# KiCad board untitled.kicad_pcb (continued)
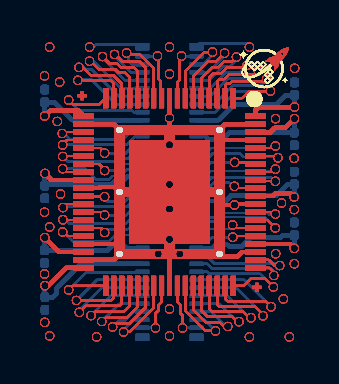
[diagram p0: board, top side]
## Routing (per net, layer and track width the routed paths; a pad name or vN(x,y) marks a point on that pad's centre or on a via; arc(x,y) is an arc through that point) (continued)
  Top w0.1: J158.1 9.91,10.28 ; J158.1 9.91,10.28 ; J158.1 9.91,10.28 ; J158.1 9.91,10.28 ; J158.1 9.91,10.28 ; J158.1 9.91,10.28 ; J158.1 9.91,10.28 ; J158.1 9.91,10.28 ; J158.1 9.91,10.28 ; J158.1 9.91,10.28 ; J158.1 9.91,10.28 ; J158.1 9.91,10.28 ; J158.1 9.91,10.28 ; J158.1 9.91,10.28 ; J158.1 9.91,10.28 ; J158.1 9.91,10.28 ; J158.1 9.91,10.28 ; J158.1 9.91,10.28 ; J158.1 9.91,10.28 ; J158.1 9.91,10.28 ; J158.1 9.91,10.28 ; J158.1 9.91,10.28 ; J158.1 9.91,10.28 ; J158.1 9.91,10.28 ; J158.1 9.91,10.28 ; J158.1 9.91,10.28 ; J158.1 9.91,10.28 ; J158.1 9.91,10.28 ; J158.1 9.91,10.28 ; J158.1 9.91,10.28 ; J158.1 9.91,10.28 ; J158.1 9.91,10.28 ; J158.1 9.91,10.28 ; J158.1 9.91,10.28 ; J158.1 9.91,10.28 ; J158.1 9.91,10.28 ; J158.1 9.91,10.28 ; J158.1 9.91,10.28 ; J158.1 9.91,10.28 ; J158.1 9.91,10.28 ; J158.1 9.91,10.28 ; J158.1 9.91,10.28 ; 9.91,10.28 10.26,10.63 ; 9.91,10.28 10.26,10.63 ; 9.91,10.28 10.26,10.63 ; 9.91,10.28 10.26,10.63 ; 9.91,10.28 10.26,10.63 ; 9.91,10.28 10.26,10.63 ; 9.91,10.28 10.26,10.63 ; 9.91,10.28 10.26,10.63 ; 9.91,10.28 10.26,10.63 ; 9.91,10.28 10.26,10.63 ; 9.91,10.28 10.26,10.63 ; 9.91,10.28 10.26,10.63 ; 9.91,10.28 10.26,10.63 ; 9.91,10.28 10.26,10.63 ; 9.91,10.28 10.26,10.63 ; 9.91,10.28 10.26,10.63 ; 9.91,10.28 10.26,10.63 ; 9.91,10.28 10.26,10.63 ; 9.91,10.28 10.26,10.63 ; 9.91,10.28 10.26,10.63 ; 9.91,10.28 10.26,10.63 ; 9.91,10.28 10.26,10.63 ; 9.91,10.28 10.26,10.63 ; 9.91,10.28 10.26,10.63 ; 9.91,10.28 10.26,10.63 ; 9.91,10.28 10.26,10.63 ; 9.91,10.28 10.26,10.63 ; 9.91,10.28 10.26,10.63 ; 9.91,10.28 10.26,10.63 ; 9.91,10.28 10.26,10.63 ; 9.91,10.28 10.26,10.63 ; 9.91,10.28 10.26,10.63 ; 9.91,10.28 10.26,10.63 ; 9.91,10.28 10.26,10.63 ; 9.91,10.28 10.26,10.63 ; 9.91,10.28 10.26,10.63 ; 9.91,10.28 10.26,10.63 ; 9.91,10.28 10.26,10.63 ; 9.91,10.28 10.26,10.63 ; 9.91,10.28 10.26,10.63 ; 9.91,10.28 10.26,10.63 ; 9.91,10.28 10.26,10.63 ; 10.26,10.63 v1(11.31,10.63) ; 10.26,10.63 v1(11.31,10.63) ; 10.26,10.63 v1(11.31,10.63) ; 10.26,10.63 v1(11.31,10.63) ; 10.26,10.63 v1(11.31,10.63) ; 10.26,10.63 v1(11.31,10.63) ; 10.26,10.63 v1(11.31,10.63) ; 10.26,10.63 v1(11.31,10.63) ; 10.26,10.63 v1(11.31,10.63) ; 10.26,10.63 v1(11.31,10.63) ; 10.26,10.63 v1(11.31,10.63) ; 10.26,10.63 v1(11.31,10.63) ; 10.26,10.63 v1(11.31,10.63) ; 10.26,10.63 v1(11.31,10.63) ; 10.26,10.63 v1(11.31,10.63) ; 10.26,10.63 v1(11.31,10.63) ; 10.26,10.63 v1(11.31,10.63) ; 10.26,10.63 v1(11.31,10.63) ; 10.26,10.63 v1(11.31,10.63) ; 10.26,10.63 v1(11.31,10.63) ; 10.26,10.63 v1(11.31,10.63) ; 10.26,10.63 v1(11.31,10.63) ; 10.26,10.63 v1(11.31,10.63) ; 10.26,10.63 v1(11.31,10.63) ; 10.26,10.63 v1(11.31,10.63) ; 10.26,10.63 v1(11.31,10.63) ; 10.26,10.63 v1(11.31,10.63) ; 10.26,10.63 v1(11.31,10.63) ; 10.26,10.63 v1(11.31,10.63) ; 10.26,10.63 v1(11.31,10.63) ; 10.26,10.63 v1(11.31,10.63) ; 10.26,10.63 v1(11.31,10.63) ; 10.26,10.63 v1(11.31,10.63) ; 10.26,10.63 v1(11.31,10.63) ; 10.26,10.63 v1(11.31,10.63) ; 10.26,10.63 v1(11.31,10.63) ; 10.26,10.63 v1(11.31,10.63) ; 10.26,10.63 v1(11.31,10.63) ; 10.26,10.63 v1(11.31,10.63) ; 10.26,10.63 v1(11.31,10.63) ; 10.26,10.63 v1(11.31,10.63) ; 10.26,10.63 v1(11.31,10.63)
  Bottom w0.1: v1(11.31,10.63) 9.61,10.63 ; v1(11.31,10.63) 9.61,10.63 ; v1(11.31,10.63) 9.61,10.63 ; v1(11.31,10.63) 9.61,10.63 ; v1(11.31,10.63) 9.61,10.63 ; v1(11.31,10.63) 9.61,10.63 ; v1(11.31,10.63) 9.61,10.63 ; v1(11.31,10.63) 9.61,10.63 ; v1(11.31,10.63) 9.61,10.63 ; v1(11.31,10.63) 9.61,10.63 ; v1(11.31,10.63) 9.61,10.63 ; v1(11.31,10.63) 9.61,10.63 ; v1(11.31,10.63) 9.61,10.63 ; v1(11.31,10.63) 9.61,10.63 ; v1(11.31,10.63) 9.61,10.63 ; v1(11.31,10.63) 9.61,10.63 ; v1(11.31,10.63) 9.61,10.63 ; v1(11.31,10.63) 9.61,10.63 ; v1(11.31,10.63) 9.61,10.63 ; v1(11.31,10.63) 9.61,10.63 ; v1(11.31,10.63) 9.61,10.63 ; v1(11.31,10.63) 9.61,10.63 ; v1(11.31,10.63) 9.61,10.63 ; v1(11.31,10.63) 9.61,10.63 ; v1(11.31,10.63) 9.61,10.63 ; v1(11.31,10.63) 9.61,10.63 ; v1(11.31,10.63) 9.61,10.63 ; v1(11.31,10.63) 9.61,10.63 ; v1(11.31,10.63) 9.61,10.63 ; v1(11.31,10.63) 9.61,10.63 ; v1(11.31,10.63) 9.61,10.63 ; v1(11.31,10.63) 9.61,10.63 ; v1(11.31,10.63) 9.61,10.63 ; v1(11.31,10.63) 9.61,10.63 ; v1(11.31,10.63) 9.61,10.63 ; v1(11.31,10.63) 9.61,10.63 ; v1(11.31,10.63) 9.61,10.63 ; v1(11.31,10.63) 9.61,10.63 ; v1(11.31,10.63) 9.61,10.63 ; v1(11.31,10.63) 9.61,10.63 ; v1(11.31,10.63) 9.61,10.63 ; v1(11.31,10.63) 9.61,10.63 ; 9.61,10.63 8.56,9.58 ; 9.61,10.63 8.56,9.58 ; 9.61,10.63 8.56,9.58 ; 9.61,10.63 8.56,9.58 ; 9.61,10.63 8.56,9.58 ; 9.61,10.63 8.56,9.58 ; 9.61,10.63 8.56,9.58 ; 9.61,10.63 8.56,9.58 ; 9.61,10.63 8.56,9.58 ; 9.61,10.63 8.56,9.58 ; 9.61,10.63 8.56,9.58 ; 9.61,10.63 8.56,9.58 ; 9.61,10.63 8.56,9.58 ; 9.61,10.63 8.56,9.58 ; 9.61,10.63 8.56,9.58 ; 9.61,10.63 8.56,9.58 ; 9.61,10.63 8.56,9.58 ; 9.61,10.63 8.56,9.58 ; 9.61,10.63 8.56,9.58 ; 9.61,10.63 8.56,9.58 ; 9.61,10.63 8.56,9.58 ; 9.61,10.63 8.56,9.58 ; 9.61,10.63 8.56,9.58 ; 9.61,10.63 8.56,9.58 ; 9.61,10.63 8.56,9.58 ; 9.61,10.63 8.56,9.58 ; 9.61,10.63 8.56,9.58 ; 9.61,10.63 8.56,9.58 ; 9.61,10.63 8.56,9.58 ; 9.61,10.63 8.56,9.58 ; 9.61,10.63 8.56,9.58 ; 9.61,10.63 8.56,9.58 ; 9.61,10.63 8.56,9.58 ; 9.61,10.63 8.56,9.58 ; 9.61,10.63 8.56,9.58 ; 9.61,10.63 8.56,9.58 ; 9.61,10.63 8.56,9.58 ; 9.61,10.63 8.56,9.58 ; 9.61,10.63 8.56,9.58 ; 9.61,10.63 8.56,9.58 ; 9.61,10.63 8.56,9.58 ; 9.61,10.63 8.56,9.58 ; 8.56,9.58 J173.8 ; 8.56,9.58 J173.8 ; 8.56,9.58 J173.8 ; 8.56,9.58 J173.8 ; 8.56,9.58 J173.8 ; 8.56,9.58 J173.8 ; 8.56,9.58 J173.8 ; 8.56,9.58 J173.8 ; 8.56,9.58 J173.8 ; 8.56,9.58 J173.8 ; 8.56,9.58 J173.8 ; 8.56,9.58 J173.8 ; 8.56,9.58 J173.8 ; 8.56,9.58 J173.8 ; 8.56,9.58 J173.8 ; 8.56,9.58 J173.8 ; 8.56,9.58 J173.8 ; 8.56,9.58 J173.8 ; 8.56,9.58 J173.8 ; 8.56,9.58 J173.8 ; 8.56,9.58 J173.8 ; 8.56,9.58 J173.8 ; 8.56,9.58 J173.8 ; 8.56,9.58 J173.8 ; 8.56,9.58 J173.8 ; 8.56,9.58 J173.8 ; 8.56,9.58 J173.8 ; 8.56,9.58 J173.8 ; 8.56,9.58 J173.8 ; 8.56,9.58 J173.8 ; 8.56,9.58 J173.8 ; 8.56,9.58 J173.8 ; 8.56,9.58 J173.8 ; 8.56,9.58 J173.8 ; 8.56,9.58 J173.8 ; 8.56,9.58 J173.8 ; 8.56,9.58 J173.8 ; 8.56,9.58 J173.8 ; 8.56,9.58 J173.8 ; 8.56,9.58 J173.8 ; 8.56,9.58 J173.8 ; 8.56,9.58 J173.8
/PIN 64: length 287.2
  Top w0.1: J158.2 9.06,10.93 ; J158.2 9.06,10.93 ; J158.2 9.06,10.93 ; J158.2 9.06,10.93 ; J158.2 9.06,10.93 ; J158.2 9.06,10.93 ; J158.2 9.06,10.93 ; J158.2 9.06,10.93 ; J158.2 9.06,10.93 ; J158.2 9.06,10.93 ; J158.2 9.06,10.93 ; J158.2 9.06,10.93 ; J158.2 9.06,10.93 ; J158.2 9.06,10.93 ; J158.2 9.06,10.93 ; J158.2 9.06,10.93 ; J158.2 9.06,10.93 ; J158.2 9.06,10.93 ; J158.2 9.06,10.93 ; J158.2 9.06,10.93 ; J158.2 9.06,10.93 ; J158.2 9.06,10.93 ; J158.2 9.06,10.93 ; J158.2 9.06,10.93 ; J158.2 9.06,10.93 ; J158.2 9.06,10.93 ; J158.2 9.06,10.93 ; J158.2 9.06,10.93 ; J158.2 9.06,10.93 ; J158.2 9.06,10.93 ; J158.2 9.06,10.93 ; J158.2 9.06,10.93 ; J158.2 9.06,10.93 ; J158.2 9.06,10.93 ; J158.2 9.06,10.93 ; J158.2 9.06,10.93 ; J158.2 9.06,10.93 ; J158.2 9.06,10.93 ; J158.2 9.06,10.93 ; J158.2 9.06,10.93 ; J158.2 9.06,10.93 ; J158.2 9.06,10.93 ; 9.06,10.93 9.12,10.99 ; 9.06,10.93 9.12,10.99 ; 9.06,10.93 9.12,10.99 ; 9.06,10.93 9.12,10.99 ; 9.06,10.93 9.12,10.99 ; 9.06,10.93 9.12,10.99 ; 9.06,10.93 9.12,10.99 ; 9.06,10.93 9.12,10.99 ; 9.06,10.93 9.12,10.99 ; 9.06,10.93 9.12,10.99 ; 9.06,10.93 9.12,10.99 ; 9.06,10.93 9.12,10.99 ; 9.06,10.93 9.12,10.99 ; 9.06,10.93 9.12,10.99 ; 9.06,10.93 9.12,10.99 ; 9.06,10.93 9.12,10.99 ; 9.06,10.93 9.12,10.99 ; 9.06,10.93 9.12,10.99 ; 9.06,10.93 9.12,10.99 ; 9.06,10.93 9.12,10.99 ; 9.06,10.93 9.12,10.99 ; 9.06,10.93 9.12,10.99 ; 9.06,10.93 9.12,10.99 ; 9.06,10.93 9.12,10.99 ; 9.06,10.93 9.12,10.99 ; 9.06,10.93 9.12,10.99 ; 9.06,10.93 9.12,10.99 ; 9.06,10.93 9.12,10.99 ; 9.06,10.93 9.12,10.99 ; 9.06,10.93 9.12,10.99 ; 9.06,10.93 9.12,10.99 ; 9.06,10.93 9.12,10.99 ; 9.06,10.93 9.12,10.99 ; 9.06,10.93 9.12,10.99 ; 9.06,10.93 9.12,10.99 ; 9.06,10.93 9.12,10.99 ; 9.06,10.93 9.12,10.99 ; 9.06,10.93 9.12,10.99 ; 9.06,10.93 9.12,10.99 ; 9.06,10.93 9.12,10.99 ; 9.06,10.93 9.12,10.99 ; 9.06,10.93 9.12,10.99 ; 9.12,10.99 9.27,10.99 ; 9.12,10.99 9.27,10.99 ; 9.12,10.99 9.27,10.99 ; 9.12,10.99 9.27,10.99 ; 9.12,10.99 9.27,10.99 ; 9.12,10.99 9.27,10.99 ; 9.12,10.99 9.27,10.99 ; 9.12,10.99 9.27,10.99 ; 9.12,10.99 9.27,10.99 ; 9.12,10.99 9.27,10.99 ; 9.12,10.99 9.27,10.99 ; 9.12,10.99 9.27,10.99 ; 9.12,10.99 9.27,10.99 ; 9.12,10.99 9.27,10.99 ; 9.12,10.99 9.27,10.99 ; 9.12,10.99 9.27,10.99 ; 9.12,10.99 9.27,10.99 ; 9.12,10.99 9.27,10.99 ; 9.12,10.99 9.27,10.99 ; 9.12,10.99 9.27,10.99 ; 9.12,10.99 9.27,10.99 ; 9.12,10.99 9.27,10.99 ; 9.12,10.99 9.27,10.99 ; 9.12,10.99 9.27,10.99 ; 9.12,10.99 9.27,10.99 ; 9.12,10.99 9.27,10.99 ; 9.12,10.99 9.27,10.99 ; 9.12,10.99 9.27,10.99 ; 9.12,10.99 9.27,10.99 ; 9.12,10.99 9.27,10.99 ; 9.12,10.99 9.27,10.99 ; 9.12,10.99 9.27,10.99 ; 9.12,10.99 9.27,10.99 ; 9.12,10.99 9.27,10.99 ; 9.12,10.99 9.27,10.99 ; 9.12,10.99 9.27,10.99 ; 9.12,10.99 9.27,10.99 ; 9.12,10.99 9.27,10.99 ; 9.12,10.99 9.27,10.99 ; 9.12,10.99 9.27,10.99 ; 9.12,10.99 9.27,10.99 ; 9.12,10.99 9.27,10.99 ; 9.27,10.99 9.41,11.13 ; 9.27,10.99 9.41,11.13 ; 9.27,10.99 9.41,11.13 ; 9.27,10.99 9.41,11.13 ; 9.27,10.99 9.41,11.13 ; 9.27,10.99 9.41,11.13 ; 9.27,10.99 9.41,11.13 ; 9.27,10.99 9.41,11.13 ; 9.27,10.99 9.41,11.13 ; 9.27,10.99 9.41,11.13 ; 9.27,10.99 9.41,11.13 ; 9.27,10.99 9.41,11.13 ; 9.27,10.99 9.41,11.13 ; 9.27,10.99 9.41,11.13 ; 9.27,10.99 9.41,11.13 ; 9.27,10.99 9.41,11.13 ; 9.27,10.99 9.41,11.13 ; 9.27,10.99 9.41,11.13 ; 9.27,10.99 9.41,11.13 ; 9.27,10.99 9.41,11.13 ; 9.27,10.99 9.41,11.13 ; 9.27,10.99 9.41,11.13 ; 9.27,10.99 9.41,11.13 ; 9.27,10.99 9.41,11.13 ; 9.27,10.99 9.41,11.13 ; 9.27,10.99 9.41,11.13 ; 9.27,10.99 9.41,11.13 ; 9.27,10.99 9.41,11.13 ; 9.27,10.99 9.41,11.13 ; 9.27,10.99 9.41,11.13 ; 9.27,10.99 9.41,11.13 ; 9.27,10.99 9.41,11.13 ; 9.27,10.99 9.41,11.13 ; 9.27,10.99 9.41,11.13 ; 9.27,10.99 9.41,11.13 ; 9.27,10.99 9.41,11.13 ; 9.27,10.99 9.41,11.13 ; 9.27,10.99 9.41,11.13 ; 9.27,10.99 9.41,11.13 ; 9.27,10.99 9.41,11.13 ; 9.27,10.99 9.41,11.13 ; 9.27,10.99 9.41,11.13 ; 9.41,11.13 11.03,11.13 ; 9.41,11.13 11.03,11.13 ; 9.41,11.13 11.03,11.13 ; 9.41,11.13 11.03,11.13 ; 9.41,11.13 11.03,11.13 ; 9.41,11.13 11.03,11.13 ; 9.41,11.13 11.03,11.13 ; 9.41,11.13 11.03,11.13 ; 9.41,11.13 11.03,11.13 ; 9.41,11.13 11.03,11.13 ; 9.41,11.13 11.03,11.13 ; 9.41,11.13 11.03,11.13 ; 9.41,11.13 11.03,11.13 ; 9.41,11.13 11.03,11.13 ; 9.41,11.13 11.03,11.13 ; 9.41,11.13 11.03,11.13 ; 9.41,11.13 11.03,11.13 ; 9.41,11.13 11.03,11.13 ; 9.41,11.13 11.03,11.13 ; 9.41,11.13 11.03,11.13 ; 9.41,11.13 11.03,11.13 ; 9.41,11.13 11.03,11.13 ; 9.41,11.13 11.03,11.13 ; 9.41,11.13 11.03,11.13 ; 9.41,11.13 11.03,11.13 ; 9.41,11.13 11.03,11.13 ; 9.41,11.13 11.03,11.13 ; 9.41,11.13 11.03,11.13 ; 9.41,11.13 11.03,11.13 ; 9.41,11.13 11.03,11.13 ; 9.41,11.13 11.03,11.13 ; 9.41,11.13 11.03,11.13 ; 9.41,11.13 11.03,11.13 ; 9.41,11.13 11.03,11.13 ; 9.41,11.13 11.03,11.13 ; 9.41,11.13 11.03,11.13 ; 9.41,11.13 11.03,11.13 ; 9.41,11.13 11.03,11.13 ; 9.41,11.13 11.03,11.13 ; 9.41,11.13 11.03,11.13 ; 9.41,11.13 11.03,11.13 ; 9.41,11.13 11.03,11.13 ; 11.03,11.13 v1(11.12,11.22) ; 11.03,11.13 v1(11.12,11.22) ; 11.03,11.13 v1(11.12,11.22) ; 11.03,11.13 v1(11.12,11.22) ; 11.03,11.13 v1(11.12,11.22) ; 11.03,11.13 v1(11.12,11.22) ; 11.03,11.13 v1(11.12,11.22) ; 11.03,11.13 v1(11.12,11.22) ; 11.03,11.13 v1(11.12,11.22) ; 11.03,11.13 v1(11.12,11.22) ; 11.03,11.13 v1(11.12,11.22) ; 11.03,11.13 v1(11.12,11.22) ; 11.03,11.13 v1(11.12,11.22) ; 11.03,11.13 v1(11.12,11.22) ; 11.03,11.13 v1(11.12,11.22) ; 11.03,11.13 v1(11.12,11.22) ; 11.03,11.13 v1(11.12,11.22) ; 11.03,11.13 v1(11.12,11.22) ; 11.03,11.13 v1(11.12,11.22) ; 11.03,11.13 v1(11.12,11.22) ; 11.03,11.13 v1(11.12,11.22) ; 11.03,11.13 v1(11.12,11.22) ; 11.03,11.13 v1(11.12,11.22) ; 11.03,11.13 v1(11.12,11.22) ; 11.03,11.13 v1(11.12,11.22) ; 11.03,11.13 v1(11.12,11.22) ; 11.03,11.13 v1(11.12,11.22) ; 11.03,11.13 v1(11.12,11.22) ; 11.03,11.13 v1(11.12,11.22) ; 11.03,11.13 v1(11.12,11.22) ; 11.03,11.13 v1(11.12,11.22) ; 11.03,11.13 v1(11.12,11.22) ; 11.03,11.13 v1(11.12,11.22) ; 11.03,11.13 v1(11.12,11.22) ; 11.03,11.13 v1(11.12,11.22) ; 11.03,11.13 v1(11.12,11.22) ; 11.03,11.13 v1(11.12,11.22) ; 11.03,11.13 v1(11.12,11.22) ; 11.03,11.13 v1(11.12,11.22) ; 11.03,11.13 v1(11.12,11.22) ; 11.03,11.13 v1(11.12,11.22) ; 11.03,11.13 v1(11.12,11.22)
  Bottom w0.1: 10.83,10.93 9.46,10.93 ; 10.83,10.93 v1(11.12,11.22) ; 10.83,10.93 9.46,10.93 ; 10.83,10.93 v1(11.12,11.22) ; 10.83,10.93 v1(11.12,11.22) ; 10.83,10.93 9.46,10.93 ; 10.83,10.93 v1(11.12,11.22) ; 10.83,10.93 v1(11.12,11.22) ; 10.83,10.93 v1(11.12,11.22) ; 10.83,10.93 9.46,10.93 ; 10.83,10.93 9.46,10.93 ; 10.83,10.93 9.46,10.93 ; 10.83,10.93 v1(11.12,11.22) ; 10.83,10.93 v1(11.12,11.22) ; 10.83,10.93 v1(11.12,11.22) ; 10.83,10.93 v1(11.12,11.22) ; 10.83,10.93 9.46,10.93 ; 10.83,10.93 v1(11.12,11.22) ; 10.83,10.93 v1(11.12,11.22) ; 10.83,10.93 9.46,10.93 ; 10.83,10.93 v1(11.12,11.22) ; 10.83,10.93 v1(11.12,11.22) ; 10.83,10.93 v1(11.12,11.22) ; 10.83,10.93 v1(11.12,11.22) ; 10.83,10.93 v1(11.12,11.22) ; 10.83,10.93 9.46,10.93 ; 10.83,10.93 9.46,10.93 ; 10.83,10.93 v1(11.12,11.22) ; 10.83,10.93 9.46,10.93 ; 10.83,10.93 9.46,10.93 ; 10.83,10.93 9.46,10.93 ; 10.83,10.93 v1(11.12,11.22) ; 10.83,10.93 9.46,10.93 ; 10.83,10.93 9.46,10.93 ; 10.83,10.93 v1(11.12,11.22) ; 10.83,10.93 9.46,10.93 ; 10.83,10.93 9.46,10.93 ; 10.83,10.93 v1(11.12,11.22) ; 10.83,10.93 9.46,10.93 ; 10.83,10.93 9.46,10.93 ; 10.83,10.93 9.46,10.93 ; 10.83,10.93 v1(11.12,11.22) ; 10.83,10.93 v1(11.12,11.22) ; 10.83,10.93 9.46,10.93 ; 10.83,10.93 v1(11.12,11.22) ; 10.83,10.93 v1(11.12,11.22) ; 10.83,10.93 v1(11.12,11.22) ; 10.83,10.93 9.46,10.93 ; 10.83,10.93 9.46,10.93 ; 10.83,10.93 9.46,10.93 ; 10.83,10.93 9.46,10.93 ; 10.83,10.93 v1(11.12,11.22) ; 10.83,10.93 v1(11.12,11.22) ; 10.83,10.93 v1(11.12,11.22) ; 10.83,10.93 v1(11.12,11.22) ; 10.83,10.93 9.46,10.93 ; 10.83,10.93 v1(11.12,11.22) ; 10.83,10.93 9.46,10.93 ; 10.83,10.93 v1(11.12,11.22) ; 10.83,10.93 9.46,10.93 ; 10.83,10.93 v1(11.12,11.22) ; 10.83,10.93 9.46,10.93 ; 10.83,10.93 9.46,10.93 ; 10.83,10.93 9.46,10.93 ; 10.83,10.93 9.46,10.93 ; 10.83,10.93 9.46,10.93 ; 10.83,10.93 v1(11.12,11.22) ; 10.83,10.93 v1(11.12,11.22) ; 10.83,10.93 v1(11.12,11.22) ; 10.83,10.93 9.46,10.93 ; 10.83,10.93 v1(11.12,11.22) ; 10.83,10.93 v1(11.12,11.22) ; 10.83,10.93 9.46,10.93 ; 10.83,10.93 v1(11.12,11.22) ; 10.83,10.93 v1(11.12,11.22) ; 10.83,10.93 v1(11.12,11.22) ; 10.83,10.93 9.46,10.93 ; 10.83,10.93 9.46,10.93 ; 10.83,10.93 9.46,10.93 ; 10.83,10.93 9.46,10.93 ; 10.83,10.93 v1(11.12,11.22) ; 10.83,10.93 9.46,10.93 ; 10.83,10.93 9.46,10.93 ; 10.83,10.93 9.46,10.93 ; 9.46,10.93 8.51,9.98 ; 9.46,10.93 8.51,9.98 ; 9.46,10.93 8.51,9.98 ; 9.46,10.93 8.51,9.98 ; 9.46,10.93 8.51,9.98 ; 9.46,10.93 8.51,9.98 ; 9.46,10.93 8.51,9.98 ; 9.46,10.93 8.51,9.98 ; 9.46,10.93 8.51,9.98 ; 9.46,10.93 8.51,9.98 ; 9.46,10.93 8.51,9.98 ; 9.46,10.93 8.51,9.98 ; 9.46,10.93 8.51,9.98 ; 9.46,10.93 8.51,9.98 ; 9.46,10.93 8.51,9.98 ; 9.46,10.93 8.51,9.98 ; 9.46,10.93 8.51,9.98 ; 9.46,10.93 8.51,9.98 ; 9.46,10.93 8.51,9.98 ; 9.46,10.93 8.51,9.98 ; 9.46,10.93 8.51,9.98 ; 9.46,10.93 8.51,9.98 ; 9.46,10.93 8.51,9.98 ; 9.46,10.93 8.51,9.98 ; 9.46,10.93 8.51,9.98 ; 9.46,10.93 8.51,9.98 ; 9.46,10.93 8.51,9.98 ; 9.46,10.93 8.51,9.98 ; 9.46,10.93 8.51,9.98 ; 9.46,10.93 8.51,9.98 ; 9.46,10.93 8.51,9.98 ; 9.46,10.93 8.51,9.98 ; 9.46,10.93 8.51,9.98 ; 9.46,10.93 8.51,9.98 ; 9.46,10.93 8.51,9.98 ; 9.46,10.93 8.51,9.98 ; 9.46,10.93 8.51,9.98 ; 9.46,10.93 8.51,9.98 ; 9.46,10.93 8.51,9.98 ; 9.46,10.93 8.51,9.98 ; 9.46,10.93 8.51,9.98 ; 9.46,10.93 8.51,9.98 ; 8.51,9.98 J173.7 ; 8.51,9.98 J173.7 ; 8.51,9.98 J173.7 ; 8.51,9.98 J173.7 ; 8.51,9.98 J173.7 ; 8.51,9.98 J173.7 ; 8.51,9.98 J173.7 ; 8.51,9.98 J173.7 ; 8.51,9.98 J173.7 ; 8.51,9.98 J173.7 ; 8.51,9.98 J173.7 ; 8.51,9.98 J173.7 ; 8.51,9.98 J173.7 ; 8.51,9.98 J173.7 ; 8.51,9.98 J173.7 ; 8.51,9.98 J173.7 ; 8.51,9.98 J173.7 ; 8.51,9.98 J173.7 ; 8.51,9.98 J173.7 ; 8.51,9.98 J173.7 ; 8.51,9.98 J173.7 ; 8.51,9.98 J173.7 ; 8.51,9.98 J173.7 ; 8.51,9.98 J173.7 ; 8.51,9.98 J173.7 ; 8.51,9.98 J173.7 ; 8.51,9.98 J173.7 ; 8.51,9.98 J173.7 ; 8.51,9.98 J173.7 ; 8.51,9.98 J173.7 ; 8.51,9.98 J173.7 ; 8.51,9.98 J173.7 ; 8.51,9.98 J173.7 ; 8.51,9.98 J173.7 ; 8.51,9.98 J173.7 ; 8.51,9.98 J173.7 ; 8.51,9.98 J173.7 ; 8.51,9.98 J173.7 ; 8.51,9.98 J173.7 ; 8.51,9.98 J173.7 ; 8.51,9.98 J173.7 ; 8.51,9.98 J173.7
/PIN 65: length 282.5
  Top w0.1: 9.01,11.23 9.26,11.48 ; 9.01,11.23 9.26,11.48 ; 9.01,11.23 9.26,11.48 ; 9.01,11.23 9.26,11.48 ; 9.01,11.23 9.26,11.48 ; 9.01,11.23 9.26,11.48 ; 9.01,11.23 8.76,11.23 ; 9.01,11.23 9.26,11.48 ; 9.01,11.23 9.26,11.48 ; 9.01,11.23 9.26,11.48 ; 9.01,11.23 8.76,11.23 ; 9.01,11.23 8.76,11.23 ; 9.01,11.23 9.26,11.48 ; 9.01,11.23 9.26,11.48 ; 9.01,11.23 9.26,11.48 ; 9.01,11.23 8.76,11.23 ; 9.01,11.23 8.76,11.23 ; 9.01,11.23 8.76,11.23 ; 9.01,11.23 8.76,11.23 ; 9.01,11.23 8.76,11.23 ; 9.01,11.23 9.26,11.48 ; 9.01,11.23 9.26,11.48 ; 9.01,11.23 8.76,11.23 ; 9.01,11.23 9.26,11.48 ; 9.01,11.23 9.26,11.48 ; 9.01,11.23 8.76,11.23 ; 9.01,11.23 8.76,11.23 ; 9.01,11.23 9.26,11.48 ; 9.01,11.23 9.26,11.48 ; 9.01,11.23 9.26,11.48 ; 9.01,11.23 9.26,11.48 ; 9.01,11.23 8.76,11.23 ; 9.01,11.23 8.76,11.23 ; 9.01,11.23 8.76,11.23 ; 9.01,11.23 9.26,11.48 ; 9.01,11.23 8.76,11.23 ; 9.01,11.23 9.26,11.48 ; 9.01,11.23 8.76,11.23 ; 9.01,11.23 8.76,11.23 ; 9.01,11.23 8.76,11.23 ; 9.01,11.23 9.26,11.48 ; 9.01,11.23 8.76,11.23 ; 9.01,11.23 8.76,11.23 ; 9.01,11.23 9.26,11.48 ; 9.01,11.23 8.76,11.23 ; 9.01,11.23 9.26,11.48 ; 9.01,11.23 9.26,11.48 ; 9.01,11.23 8.76,11.23 ; 9.01,11.23 8.76,11.23 ; 9.01,11.23 9.26,11.48 ; 9.01,11.23 8.76,11.23 ; 9.01,11.23 8.76,11.23 ; 9.01,11.23 8.76,11.23 ; 9.01,11.23 9.26,11.48 ; 9.01,11.23 9.26,11.48 ; 9.01,11.23 8.76,11.23 ; 9.01,11.23 9.26,11.48 ; 9.01,11.23 9.26,11.48 ; 9.01,11.23 9.26,11.48 ; 9.01,11.23 8.76,11.23 ; 9.01,11.23 8.76,11.23 ; 9.01,11.23 8.76,11.23 ; 9.01,11.23 8.76,11.23 ; 9.01,11.23 9.26,11.48 ; 9.01,11.23 8.76,11.23 ; 9.01,11.23 8.76,11.23 ; 9.01,11.23 9.26,11.48 ; 9.01,11.23 8.76,11.23 ; 9.01,11.23 8.76,11.23 ; 9.01,11.23 9.26,11.48 ; 9.01,11.23 9.26,11.48 ; 9.01,11.23 9.26,11.48 ; 9.01,11.23 9.26,11.48 ; 9.01,11.23 9.26,11.48 ; 9.01,11.23 8.76,11.23 ; 9.01,11.23 9.26,11.48 ; 9.01,11.23 8.76,11.23 ; 9.01,11.23 9.26,11.48 ; 9.01,11.23 8.76,11.23 ; 9.01,11.23 8.76,11.23 ; 9.01,11.23 8.76,11.23 ; 9.01,11.23 8.76,11.23 ; 9.01,11.23 9.26,11.48 ; 9.01,11.23 8.76,11.23 ; 9.26,11.48 10.52,11.48 ; 9.26,11.48 10.52,11.48 ; 9.26,11.48 10.52,11.48 ; 9.26,11.48 10.52,11.48 ; 9.26,11.48 10.52,11.48 ; 9.26,11.48 10.52,11.48 ; 9.26,11.48 10.52,11.48 ; 9.26,11.48 10.52,11.48 ; 9.26,11.48 10.52,11.48 ; 9.26,11.48 10.52,11.48 ; 9.26,11.48 10.52,11.48 ; 9.26,11.48 10.52,11.48 ; 9.26,11.48 10.52,11.48 ; 9.26,11.48 10.52,11.48 ; 9.26,11.48 10.52,11.48 ; 9.26,11.48 10.52,11.48 ; 9.26,11.48 10.52,11.48 ; 9.26,11.48 10.52,11.48 ; 9.26,11.48 10.52,11.48 ; 9.26,11.48 10.52,11.48 ; 9.26,11.48 10.52,11.48 ; 9.26,11.48 10.52,11.48 ; 9.26,11.48 10.52,11.48 ; 9.26,11.48 10.52,11.48 ; 9.26,11.48 10.52,11.48 ; 9.26,11.48 10.52,11.48 ; 9.26,11.48 10.52,11.48 ; 9.26,11.48 10.52,11.48 ; 9.26,11.48 10.52,11.48 ; 9.26,11.48 10.52,11.48 ; 9.26,11.48 10.52,11.48 ; 9.26,11.48 10.52,11.48 ; 9.26,11.48 10.52,11.48 ; 9.26,11.48 10.52,11.48 ; 9.26,11.48 10.52,11.48 ; 9.26,11.48 10.52,11.48 ; 9.26,11.48 10.52,11.48 ; 9.26,11.48 10.52,11.48 ; 9.26,11.48 10.52,11.48 ; 9.26,11.48 10.52,11.48 ; 9.26,11.48 10.52,11.48 ; 9.26,11.48 10.52,11.48 ; 8.66,11.13 8.76,11.23 ; 8.66,11.13 8.76,11.23 ; 8.66,11.13 J158.3 ; 8.66,11.13 J158.3 ; 8.66,11.13 J158.3 ; 8.66,11.13 J158.3 ; 8.66,11.13 J158.3 ; 8.66,11.13 8.76,11.23 ; 8.66,11.13 J158.3 ; 8.66,11.13 8.76,11.23 ; 8.66,11.13 8.76,11.23 ; 8.66,11.13 8.76,11.23 ; 8.66,11.13 8.76,11.23 ; 8.66,11.13 8.76,11.23 ; 8.66,11.13 J158.3 ; 8.66,11.13 8.76,11.23 ; 8.66,11.13 J158.3 ; 8.66,11.13 J158.3 ; 8.66,11.13 J158.3 ; 8.66,11.13 8.76,11.23 ; 8.66,11.13 8.76,11.23 ; 8.66,11.13 8.76,11.23 ; 8.66,11.13 8.76,11.23 ; 8.66,11.13 J158.3 ; 8.66,11.13 J158.3 ; 8.66,11.13 8.76,11.23 ; 8.66,11.13 8.76,11.23 ; 8.66,11.13 J158.3 ; 8.66,11.13 8.76,11.23 ; 8.66,11.13 J158.3 ; 8.66,11.13 J158.3 ; 8.66,11.13 8.76,11.23 ; 8.66,11.13 8.76,11.23 ; 8.66,11.13 8.76,11.23 ; 8.66,11.13 J158.3 ; 8.66,11.13 8.76,11.23 ; 8.66,11.13 J158.3 ; 8.66,11.13 8.76,11.23 ; 8.66,11.13 J158.3 ; 8.66,11.13 J158.3 ; 8.66,11.13 8.76,11.23 ; 8.66,11.13 J158.3 ; 8.66,11.13 J158.3 ; 8.66,11.13 J158.3 ; 8.66,11.13 J158.3 ; 8.66,11.13 8.76,11.23 ; 8.66,11.13 8.76,11.23 ; 8.66,11.13 8.76,11.23 ; 8.66,11.13 8.76,11.23 ; 8.66,11.13 J158.3 ; 8.66,11.13 8.76,11.23 ; 8.66,11.13 8.76,11.23 ; 8.66,11.13 8.76,11.23 ; 8.66,11.13 8.76,11.23 ; 8.66,11.13 J158.3 ; 8.66,11.13 8.76,11.23 ; 8.66,11.13 J158.3 ; 8.66,11.13 J158.3 ; 8.66,11.13 8.76,11.23 ; 8.66,11.13 J158.3 ; 8.66,11.13 8.76,11.23 ; 8.66,11.13 J158.3 ; 8.66,11.13 8.76,11.23 ; 8.66,11.13 8.76,11.23 ; 8.66,11.13 8.76,11.23 ; 8.66,11.13 J158.3 ; 8.66,11.13 J158.3 ; 8.66,11.13 J158.3 ; 8.66,11.13 8.76,11.23 ; 8.66,11.13 J158.3 ; 8.66,11.13 J158.3 ; 8.66,11.13 J158.3 ; 8.66,11.13 8.76,11.23 ; 8.66,11.13 J158.3 ; 8.66,11.13 8.76,11.23 ; 8.66,11.13 J158.3 ; 8.66,11.13 J158.3 ; 8.66,11.13 J158.3 ; 8.66,11.13 8.76,11.23 ; 8.66,11.13 J158.3 ; 8.66,11.13 J158.3 ; 8.66,11.13 J158.3 ; 8.66,11.13 8.76,11.23 ; 8.66,11.13 8.76,11.23 ; 10.52,11.48 v1(10.7,11.66) ; 10.52,11.48 v1(10.7,11.66) ; 10.52,11.48 v1(10.7,11.66) ; 10.52,11.48 v1(10.7,11.66) ; 10.52,11.48 v1(10.7,11.66) ; 10.52,11.48 v1(10.7,11.66) ; 10.52,11.48 v1(10.7,11.66) ; 10.52,11.48 v1(10.7,11.66) ; 10.52,11.48 v1(10.7,11.66) ; 10.52,11.48 v1(10.7,11.66) ; 10.52,11.48 v1(10.7,11.66) ; 10.52,11.48 v1(10.7,11.66) ; 10.52,11.48 v1(10.7,11.66) ; 10.52,11.48 v1(10.7,11.66) ; 10.52,11.48 v1(10.7,11.66) ; 10.52,11.48 v1(10.7,11.66) ; 10.52,11.48 v1(10.7,11.66) ; 10.52,11.48 v1(10.7,11.66) ; 10.52,11.48 v1(10.7,11.66) ; 10.52,11.48 v1(10.7,11.66) ; 10.52,11.48 v1(10.7,11.66) ; 10.52,11.48 v1(10.7,11.66) ; 10.52,11.48 v1(10.7,11.66) ; 10.52,11.48 v1(10.7,11.66) ; 10.52,11.48 v1(10.7,11.66) ; 10.52,11.48 v1(10.7,11.66) ; 10.52,11.48 v1(10.7,11.66) ; 10.52,11.48 v1(10.7,11.66) ; 10.52,11.48 v1(10.7,11.66) ; 10.52,11.48 v1(10.7,11.66) ; 10.52,11.48 v1(10.7,11.66) ; 10.52,11.48 v1(10.7,11.66) ; 10.52,11.48 v1(10.7,11.66) ; 10.52,11.48 v1(10.7,11.66) ; 10.52,11.48 v1(10.7,11.66) ; 10.52,11.48 v1(10.7,11.66) ; 10.52,11.48 v1(10.7,11.66) ; 10.52,11.48 v1(10.7,11.66) ; 10.52,11.48 v1(10.7,11.66) ; 10.52,11.48 v1(10.7,11.66) ; 10.52,11.48 v1(10.7,11.66) ; 10.52,11.48 v1(10.7,11.66)
  Bottom w0.1: 10.32,11.28 9.21,11.28 ; 10.32,11.28 v1(10.7,11.66) ; 10.32,11.28 v1(10.7,11.66) ; 10.32,11.28 9.21,11.28 ; 10.32,11.28 9.21,11.28 ; 10.32,11.28 v1(10.7,11.66) ; 10.32,11.28 9.21,11.28 ; 10.32,11.28 9.21,11.28 ; 10.32,11.28 9.21,11.28 ; 10.32,11.28 v1(10.7,11.66) ; 10.32,11.28 v1(10.7,11.66) ; 10.32,11.28 9.21,11.28 ; 10.32,11.28 v1(10.7,11.66) ; 10.32,11.28 v1(10.7,11.66) ; 10.32,11.28 9.21,11.28 ; 10.32,11.28 v1(10.7,11.66) ; 10.32,11.28 9.21,11.28 ; 10.32,11.28 9.21,11.28 ; 10.32,11.28 v1(10.7,11.66) ; 10.32,11.28 v1(10.7,11.66) ; 10.32,11.28 9.21,11.28 ; 10.32,11.28 v1(10.7,11.66) ; 10.32,11.28 9.21,11.28 ; 10.32,11.28 9.21,11.28 ; 10.32,11.28 9.21,11.28 ; 10.32,11.28 v1(10.7,11.66) ; 10.32,11.28 v1(10.7,11.66) ; 10.32,11.28 v1(10.7,11.66) ; 10.32,11.28 v1(10.7,11.66) ; 10.32,11.28 9.21,11.28 ; 10.32,11.28 9.21,11.28 ; 10.32,11.28 9.21,11.28 ; 10.32,11.28 v1(10.7,11.66) ; 10.32,11.28 v1(10.7,11.66) ; 10.32,11.28 v1(10.7,11.66) ; 10.32,11.28 9.21,11.28 ; 10.32,11.28 9.21,11.28 ; 10.32,11.28 9.21,11.28 ; 10.32,11.28 v1(10.7,11.66) ; 10.32,11.28 9.21,11.28 ; 10.32,11.28 v1(10.7,11.66) ; 10.32,11.28 v1(10.7,11.66) ; 10.32,11.28 v1(10.7,11.66) ; 10.32,11.28 9.21,11.28 ; 10.32,11.28 9.21,11.28 ; 10.32,11.28 9.21,11.28 ; 10.32,11.28 v1(10.7,11.66) ; 10.32,11.28 9.21,11.28 ; 10.32,11.28 9.21,11.28 ; 10.32,11.28 v1(10.7,11.66) ; 10.32,11.28 v1(10.7,11.66) ; 10.32,11.28 v1(10.7,11.66) ; 10.32,11.28 v1(10.7,11.66) ; 10.32,11.28 9.21,11.28 ; 10.32,11.28 v1(10.7,11.66) ; 10.32,11.28 v1(10.7,11.66) ; 10.32,11.28 v1(10.7,11.66) ; 10.32,11.28 v1(10.7,11.66) ; 10.32,11.28 v1(10.7,11.66) ; 10.32,11.28 v1(10.7,11.66) ; 10.32,11.28 9.21,11.28 ; 10.32,11.28 9.21,11.28 ; 10.32,11.28 9.21,11.28 ; 10.32,11.28 v1(10.7,11.66) ; 10.32,11.28 9.21,11.28 ; 10.32,11.28 9.21,11.28 ; 10.32,11.28 v1(10.7,11.66) ; 10.32,11.28 v1(10.7,11.66) ; 10.32,11.28 v1(10.7,11.66) ; 10.32,11.28 v1(10.7,11.66) ; 10.32,11.28 9.21,11.28 ; 10.32,11.28 v1(10.7,11.66) ; 10.32,11.28 9.21,11.28 ; 10.32,11.28 9.21,11.28 ; 10.32,11.28 v1(10.7,11.66) ; 10.32,11.28 9.21,11.28 ; 10.32,11.28 9.21,11.28 ; 10.32,11.28 9.21,11.28 ; 10.32,11.28 9.21,11.28 ; 10.32,11.28 9.21,11.28 ; 10.32,11.28 9.21,11.28 ; 10.32,11.28 v1(10.7,11.66) ; 10.32,11.28 v1(10.7,11.66) ; 10.32,11.28 9.21,11.28 ; 9.21,11.28 8.31,10.38 ; 9.21,11.28 8.31,10.38 ; 9.21,11.28 8.31,10.38 ; 9.21,11.28 8.31,10.38 ; 9.21,11.28 8.31,10.38 ; 9.21,11.28 8.31,10.38 ; 9.21,11.28 8.31,10.38 ; 9.21,11.28 8.31,10.38 ; 9.21,11.28 8.31,10.38 ; 9.21,11.28 8.31,10.38 ; 9.21,11.28 8.31,10.38 ; 9.21,11.28 8.31,10.38 ; 9.21,11.28 8.31,10.38 ; 9.21,11.28 8.31,10.38 ; 9.21,11.28 8.31,10.38 ; 9.21,11.28 8.31,10.38 ; 9.21,11.28 8.31,10.38 ; 9.21,11.28 8.31,10.38 ; 9.21,11.28 8.31,10.38 ; 9.21,11.28 8.31,10.38 ; 9.21,11.28 8.31,10.38 ; 9.21,11.28 8.31,10.38 ; 9.21,11.28 8.31,10.38 ; 9.21,11.28 8.31,10.38 ; 9.21,11.28 8.31,10.38 ; 9.21,11.28 8.31,10.38 ; 9.21,11.28 8.31,10.38 ; 9.21,11.28 8.31,10.38 ; 9.21,11.28 8.31,10.38 ; 9.21,11.28 8.31,10.38 ; 9.21,11.28 8.31,10.38 ; 9.21,11.28 8.31,10.38 ; 9.21,11.28 8.31,10.38 ; 9.21,11.28 8.31,10.38 ; 9.21,11.28 8.31,10.38 ; 9.21,11.28 8.31,10.38 ; 9.21,11.28 8.31,10.38 ; 9.21,11.28 8.31,10.38 ; 9.21,11.28 8.31,10.38 ; 9.21,11.28 8.31,10.38 ; 9.21,11.28 8.31,10.38 ; 9.21,11.28 8.31,10.38 ; 8.31,10.38 J173.6 ; 8.31,10.38 J173.6 ; 8.31,10.38 J173.6 ; 8.31,10.38 J173.6 ; 8.31,10.38 J173.6 ; 8.31,10.38 J173.6 ; 8.31,10.38 J173.6 ; 8.31,10.38 J173.6 ; 8.31,10.38 J173.6 ; 8.31,10.38 J173.6 ; 8.31,10.38 J173.6 ; 8.31,10.38 J173.6 ; 8.31,10.38 J173.6 ; 8.31,10.38 J173.6 ; 8.31,10.38 J173.6 ; 8.31,10.38 J173.6 ; 8.31,10.38 J173.6 ; 8.31,10.38 J173.6 ; 8.31,10.38 J173.6 ; 8.31,10.38 J173.6 ; 8.31,10.38 J173.6 ; 8.31,10.38 J173.6 ; 8.31,10.38 J173.6 ; 8.31,10.38 J173.6 ; 8.31,10.38 J173.6 ; 8.31,10.38 J173.6 ; 8.31,10.38 J173.6 ; 8.31,10.38 J173.6 ; 8.31,10.38 J173.6 ; 8.31,10.38 J173.6 ; 8.31,10.38 J173.6 ; 8.31,10.38 J173.6 ; 8.31,10.38 J173.6 ; 8.31,10.38 J173.6 ; 8.31,10.38 J173.6 ; 8.31,10.38 J173.6 ; 8.31,10.38 J173.6 ; 8.31,10.38 J173.6 ; 8.31,10.38 J173.6 ; 8.31,10.38 J173.6 ; 8.31,10.38 J173.6 ; 8.31,10.38 J173.6
